# Altium PCB robot.PcbDoc (part 8 of 13) (continued)
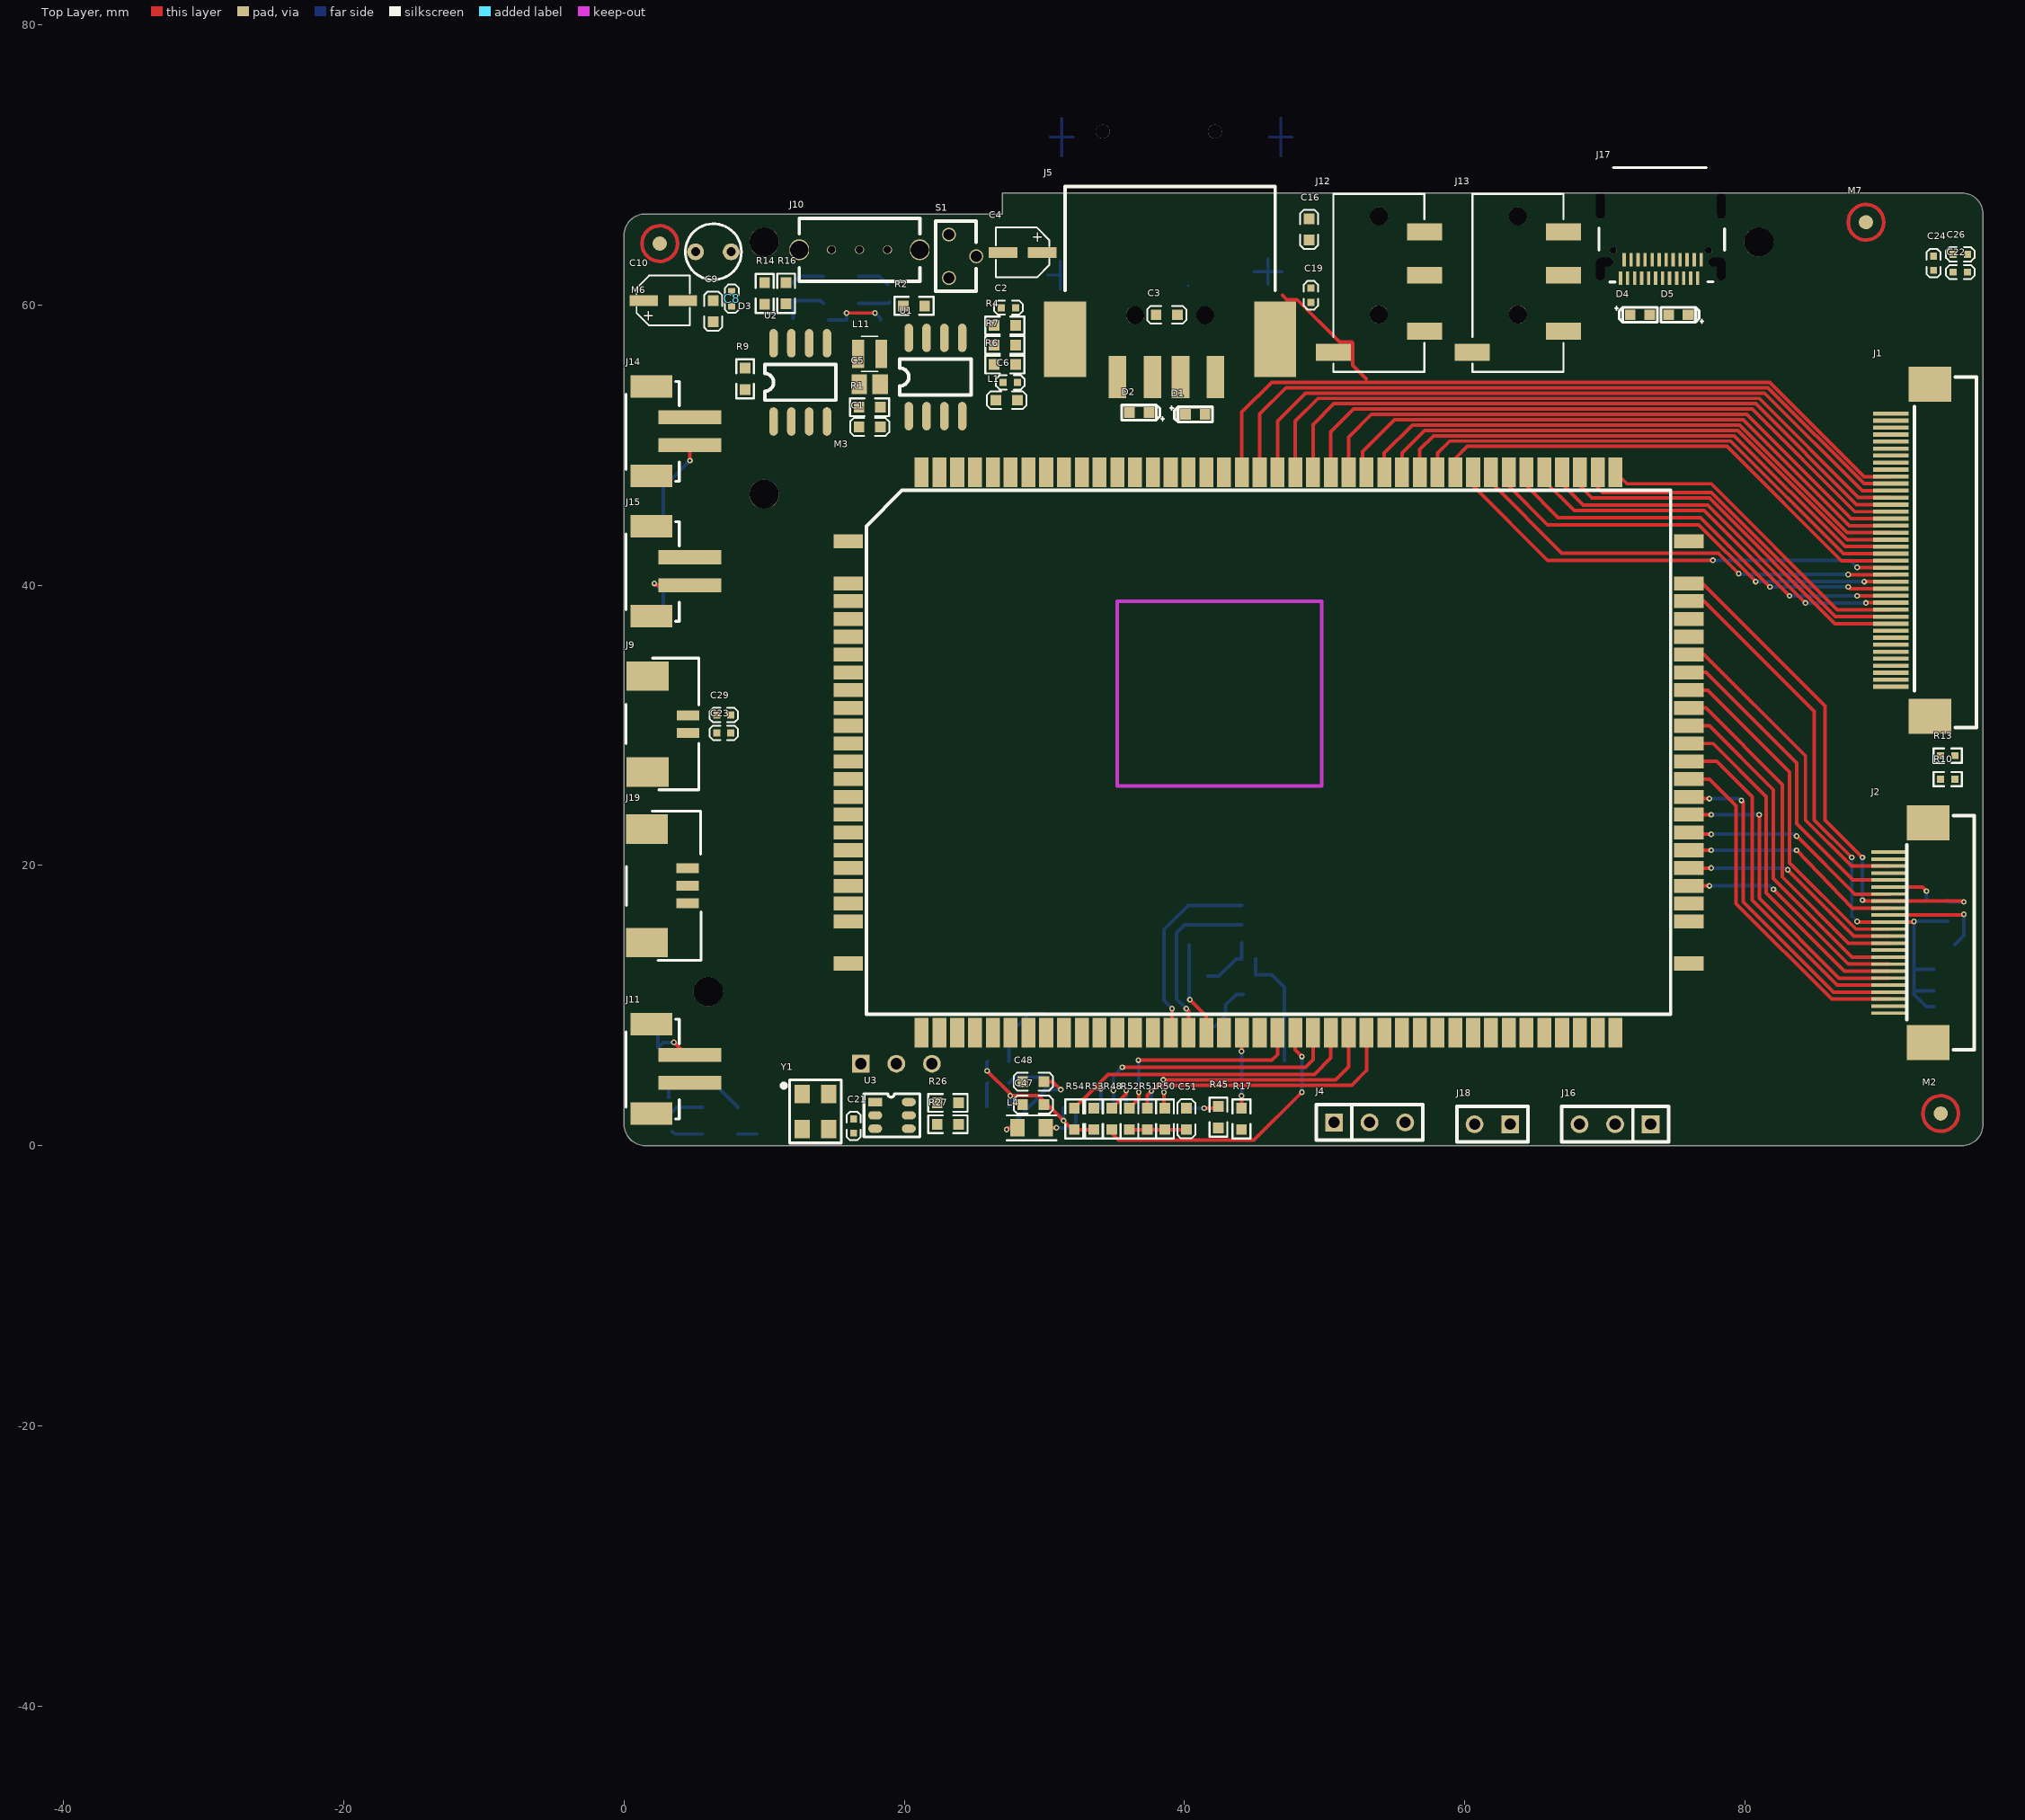
[diagram p0: Top Layer view]
## Free pads (board coordinates) (continued)
1(-38.996,-44.098) 1(-38.996,-44.097) 1(-38.996,-44.097) 1(-38.996,-44.097) 1(-38.996,-44.097) 1(-38.996,-44.097) 1(-38.996,-44.097) 1(-38.996,-44.12) 1(-38.996,-44.12) 1(-38.996,-44.12) 1(-38.996,-44.12) 1(-38.996,-44.12) 1(-38.996,-44.12) 1(-38.996,-44.119) 1(-38.996,-44.119) 1(-38.996,-44.119) 1(-38.996,-44.119) 1(-38.996,-44.119) 1(-38.996,-44.119) 1(-38.996,-44.119) 1(-38.996,-44.119) 1(-38.996,-44.119) 1(-38.996,-44.118) 1(-38.996,-44.118) 1(-38.996,-44.118) 1(-38.996,-44.115) 1(-38.996,-44.115) 1(-38.996,-44.115) 1(-38.996,-44.114) 1(-38.996,-44.114) 1(-38.996,-44.114) 1(-38.996,-44.114) 1(-38.996,-44.114) 1(-38.996,-44.114) 1(-38.996,-44.113) 1(-38.996,-44.113) 1(-38.996,-44.113) 1(-38.996,-44.113) 1(-38.996,-44.113) 1(-38.996,-44.113) 1(-38.996,-44.125) 1(-38.996,-44.125) 1(-38.996,-44.125) 1(-38.996,-44.125) 1(-38.996,-44.125) 1(-38.996,-44.125) 1(-38.996,-44.124) 1(-38.996,-44.124) 1(-38.996,-44.124) 1(-38.996,-44.123) 1(-38.996,-44.123) 1(-38.996,-44.123) 1(-38.996,-44.121) 1(-38.996,-44.121) 1(-38.996,-44.121) 1(-38.996,-44.12) 1(-38.996,-44.12) 1(-38.996,-44.12) 1(-38.996,-44.12) 1(-38.996,-44.12) 1(-38.996,-44.12) 1(-38.996,-44.148) 1(-38.996,-44.148) 1(-38.996,-44.148) 1(-38.996,-44.148) 1(-38.996,-44.148) 1(-38.996,-44.148) 1(-38.996,-44.111) 1(-38.996,-44.111) 1(-38.996,-44.111) 1(-38.996,-44.111) 1(-38.996,-44.111) 1(-38.996,-44.111) 1(-38.996,-44.104) 1(-38.996,-44.104) 1(-38.996,-44.104) 1(-38.996,-44.104) 1(-38.996,-44.104) 1(-38.996,-44.104) 1(-38.996,-44.105) 1(-38.996,-44.105) 1(-38.996,-44.105) 1(-38.996,-44.105) 1(-38.996,-44.105) 1(-38.996,-44.105) 1(-38.996,-44.129) 1(-38.996,-44.129) 1(-38.996,-44.129) 1(-38.996,-44.129) 1(-38.996,-44.129) 1(-38.996,-44.129) 1(-38.996,-44.129) 1(-38.996,-44.129) 1(-38.996,-44.129) 1(-38.996,-44.128) 1(-38.996,-44.128) 1(-38.996,-44.128) 1(-38.995,-44.134) 1(-38.995,-44.134) 1(-38.995,-44.134) 1(-38.995,-44.134) 1(-38.995,-44.134) 1(-38.995,-44.134) 1(-38.995,-44.134) 1(-38.995,-44.134) 1(-38.995,-44.134) 1(-38.995,-44.134) 1(-38.995,-44.134) 1(-38.995,-44.134) 1(-38.995,-44.097) 1(-38.995,-44.097) 1(-38.995,-44.097) 1(-38.995,-44.097) 1(-38.995,-44.097) 1(-38.995,-44.097) 1(-38.995,-44.148) 1(-38.995,-44.148) 1(-38.995,-44.148) 1(-38.995,-44.148) 1(-38.995,-44.148) 1(-38.995,-44.148) 1(-38.995,-44.112) 1(-38.995,-44.112) 1(-38.995,-44.112) 1(-38.995,-44.112) 1(-38.995,-44.112) 1(-38.995,-44.112) 1(-38.995,-44.115) 1(-38.995,-44.115) 1(-38.995,-44.115) 1(-38.995,-44.115) 1(-38.995,-44.115) 1(-38.995,-44.115) 1(-38.995,-44.117) 1(-38.995,-44.117) 1(-38.995,-44.117) 1(-38.995,-44.117) 1(-38.995,-44.117) 1(-38.995,-44.117) 1(-38.995,-44.117) 1(-38.995,-44.117) 1(-38.995,-44.117) 1(-38.995,-44.13) 1(-38.995,-44.13) 1(-38.995,-44.13) 1(-38.995,-44.129) 1(-38.995,-44.129) 1(-38.995,-44.129) 1(-38.995,-44.129) 1(-38.995,-44.129) 1(-38.995,-44.129) 1(-38.995,-44.097) 1(-38.995,-44.097) 1(-38.995,-44.097) 1(-38.995,-44.102) 1(-38.995,-44.102) 1(-38.995,-44.102) 1(-38.995,-44.102) 1(-38.995,-44.102) 1(-38.995,-44.102) 1(-38.995,-44.098) 1(-38.995,-44.098) 1(-38.995,-44.098) 1(-38.995,-44.149) 1(-38.995,-44.149) 1(-38.995,-44.149) 1(-38.995,-44.149) 1(-38.995,-44.149) 1(-38.995,-44.149) 1(-38.995,-44.121) 1(-38.995,-44.121) 1(-38.995,-44.121) 1(-38.995,-44.121) 1(-38.995,-44.121) 1(-38.995,-44.121) 1(-38.995,-44.121) 1(-38.995,-44.121) 1(-38.995,-44.121) 1(-38.995,-44.102) 1(-38.995,-44.102) 1(-38.995,-44.102) 1(-38.995,-44.102) 1(-38.995,-44.102) 1(-38.995,-44.102) 1(-38.995,-44.102) 1(-38.995,-44.102) 1(-38.995,-44.102) 1(-38.995,-44.102) 1(-38.995,-44.102) 1(-38.995,-44.102) 1(-38.995,-44.102) 1(-38.995,-44.102) 1(-38.995,-44.102) 1(-38.995,-44.098) 1(-38.995,-44.098) 1(-38.995,-44.098) 1(-38.995,-44.098) 1(-38.995,-44.098) 1(-38.995,-44.098) 1(-38.995,-44.129) 1(-38.995,-44.129) 1(-38.995,-44.129) 1(-38.995,-44.119) 1(-38.995,-44.119) 1(-38.995,-44.119) 1(-38.995,-44.119) 1(-38.995,-44.119) 1(-38.995,-44.119) 1(-38.995,-44.148) 1(-38.995,-44.148) 1(-38.995,-44.148) 1(-38.995,-44.148) 1(-38.995,-44.148) 1(-38.995,-44.148) 1(-38.995,-44.12) 1(-38.995,-44.12) 1(-38.995,-44.12) 1(-38.995,-44.104) 1(-38.995,-44.104) 1(-38.995,-44.104) 1(-38.995,-44.104) 1(-38.995,-44.104) 1(-38.995,-44.104) 1(-38.995,-44.103) 1(-38.995,-44.103) 1(-38.995,-44.103) 1(-38.995,-44.115) 1(-38.995,-44.115) 1(-38.995,-44.115) 1(-38.995,-44.115) 1(-38.995,-44.115) 1(-38.995,-44.115) 1(-38.995,-44.113) 1(-38.995,-44.113) 1(-38.995,-44.113) 1(-38.995,-44.113) 1(-38.995,-44.113) 1(-38.995,-44.113) 1(-38.994,-44.118) 1(-38.994,-44.118) 1(-38.994,-44.118) 1(-38.994,-44.117) 1(-38.994,-44.117) 1(-38.994,-44.117) 1(-38.994,-44.116) 1(-38.994,-44.116) 1(-38.994,-44.116) 1(-38.994,-44.116) 1(-38.994,-44.116) 1(-38.994,-44.116) 1(-38.994,-44.134) 1(-38.994,-44.134) 1(-38.994,-44.134) 1(-38.994,-44.141) 1(-38.994,-44.141) 1(-38.994,-44.141) 1(-38.994,-44.139) 1(-38.994,-44.139) 1(-38.994,-44.139) 1(-38.994,-44.137) 1(-38.994,-44.137) 1(-38.994,-44.137) 1(-38.994,-44.133) 1(-38.994,-44.133) 1(-38.994,-44.133) 1(-38.994,-44.125) 1(-38.994,-44.125) 1(-38.994,-44.125) 1(-38.994,-44.13) 1(-38.994,-44.13) 1(-38.994,-44.13) 1(-38.994,-44.13) 1(-38.994,-44.13) 1(-38.994,-44.13) 1(-38.994,-44.13) 1(-38.994,-44.13) 1(-38.994,-44.13) 1(-38.994,-44.136) 1(-38.994,-44.136) 1(-38.994,-44.136) 1(-38.994,-44.148) 1(-38.994,-44.148) 1(-38.994,-44.148) 1(-38.994,-44.148) 1(-38.994,-44.148) 1(-38.994,-44.148) 1(-38.994,-44.126) 1(-38.994,-44.126) 1(-38.994,-44.126) 1(-38.994,-44.126) 1(-38.994,-44.126) 1(-38.994,-44.126) 1(-38.994,-44.123) 1(-38.994,-44.123) 1(-38.994,-44.123) 1(-38.994,-44.149) 1(-38.994,-44.149) 1(-38.994,-44.149) 1(-38.994,-44.149) 1(-38.994,-44.149) 1(-38.994,-44.149) 1(-38.994,-44.129) 1(-38.994,-44.129) 1(-38.994,-44.129) 1(-38.994,-44.129) 1(-38.994,-44.129) 1(-38.994,-44.129) 1(-38.994,-44.128) 1(-38.994,-44.128) 1(-38.994,-44.128) 1(-38.994,-44.127) 1(-38.994,-44.127) 1(-38.994,-44.127) 1(-38.994,-44.127) 1(-38.994,-44.127) 1(-38.994,-44.127) 1(-38.994,-44.127) 1(-38.994,-44.127) 1(-38.994,-44.127) 1(-38.994,-44.127) 1(-38.994,-44.127) 1(-38.994,-44.127) 1(-38.994,-44.126) 1(-38.994,-44.126) 1(-38.994,-44.126) 1(-38.994,-44.126) 1(-38.994,-44.126) 1(-38.994,-44.126) 1(-38.994,-44.149) 1(-38.994,-44.149) 1(-38.994,-44.149) 1(-38.994,-44.149) 1(-38.994,-44.149) 1(-38.994,-44.149) 1(-38.994,-44.115) 1(-38.994,-44.115) 1(-38.994,-44.115) 1(-38.994,-44.115) 1(-38.994,-44.115) 1(-38.994,-44.115) 1(-38.994,-44.102) 1(-38.994,-44.102) 1(-38.994,-44.102) 1(-38.994,-44.102) 1(-38.994,-44.102) 1(-38.994,-44.102) 1(-38.994,-44.102) 1(-38.994,-44.102) 1(-38.994,-44.102) 1(-38.994,-44.098) 1(-38.994,-44.098) 1(-38.994,-44.098) 1(-38.994,-44.098) 1(-38.994,-44.098) 1(-38.994,-44.098) 1(-38.994,-44.098) 1(-38.994,-44.098) 1(-38.994,-44.098) 1(-38.994,-44.15) 1(-38.994,-44.15) 1(-38.994,-44.15) 1(-38.994,-44.15) 1(-38.994,-44.15) 1(-38.994,-44.15) 1(-38.994,-44.105) 1(-38.994,-44.105) 1(-38.994,-44.105) 1(-38.994,-44.105) 1(-38.994,-44.105) 1(-38.994,-44.105) 1(-38.994,-44.105) 1(-38.994,-44.105) 1(-38.994,-44.105) 1(-38.994,-44.105) 1(-38.994,-44.105) 1(-38.994,-44.105) 1(-38.994,-44.12) 1(-38.994,-44.12) 1(-38.994,-44.12) 1(-38.994,-44.12) 1(-38.994,-44.12) 1(-38.994,-44.12) 1(-38.994,-44.118) 1(-38.994,-44.118) 1(-38.994,-44.118) 1(-38.994,-44.118) 1(-38.994,-44.118) 1(-38.994,-44.118) 1(-38.994,-44.112) 1(-38.994,-44.112) 1(-38.994,-44.112) 1(-38.994,-44.112) 1(-38.994,-44.112) 1(-38.994,-44.112) 1(-38.994,-44.105) 1(-38.994,-44.105) 1(-38.994,-44.105) 1(-38.994,-44.105) 1(-38.994,-44.105) 1(-38.994,-44.105) 1(-38.994,-44.105) 1(-38.994,-44.105) 1(-38.994,-44.105) 1(-38.994,-44.105) 1(-38.994,-44.105) 1(-38.994,-44.105) 1(-38.993,-44.15) 1(-38.993,-44.15) 1(-38.993,-44.15) 1(-38.993,-44.15) 1(-38.993,-44.15) 1(-38.993,-44.15) 1(-38.993,-44.148) 1(-38.993,-44.148) 1(-38.993,-44.148) 1(-38.993,-44.148) 1(-38.993,-44.148) 1(-38.993,-44.148) 1(-38.993,-44.148) 1(-38.993,-44.148) 1(-38.993,-44.148) 1(-38.993,-44.148) 1(-38.993,-44.148) 1(-38.993,-44.148) 1(-38.993,-44.116) 1(-38.993,-44.116) 1(-38.993,-44.116) 1(-38.993,-44.115) 1(-38.993,-44.115) 1(-38.993,-44.115) 1(-38.993,-44.115) 1(-38.993,-44.115) 1(-38.993,-44.115) 1(-38.993,-44.102) 1(-38.993,-44.102) 1(-38.993,-44.102) 1(-38.993,-44.102) 1(-38.993,-44.102) 1(-38.993,-44.102) 1(-38.993,-44.129) 1(-38.993,-44.129) 1(-38.993,-44.129) 1(-38.993,-44.123) 1(-38.993,-44.123) 1(-38.993,-44.123) 1(-38.993,-44.147) 1(-38.993,-44.147) 1(-38.993,-44.147) 1(-38.993,-44.147) 1(-38.993,-44.147) 1(-38.993,-44.147) 1(-38.993,-44.111) 1(-38.993,-44.111) 1(-38.993,-44.111) 1(-38.993,-44.095) 1(-38.993,-44.095) 1(-38.993,-44.095) 1(-38.993,-44.099) 1(-38.993,-44.099) 1(-38.993,-44.099) 1(-38.993,-44.099) 1(-38.993,-44.099) 1(-38.993,-44.099) 1(-38.993,-44.098) 1(-38.993,-44.098) 1(-38.993,-44.098) 1(-38.993,-44.104) 1(-38.993,-44.104) 1(-38.993,-44.104) 1(-38.993,-44.104) 1(-38.993,-44.104) 1(-38.993,-44.104) 1(-38.993,-44.103) 1(-38.993,-44.103) 1(-38.993,-44.103) 1(-38.993,-44.103) 1(-38.993,-44.103) 1(-38.993,-44.103) 1(-38.993,-44.102) 1(-38.993,-44.102) 1(-38.993,-44.102) 1(-38.993,-44.102) 1(-38.993,-44.102) 1(-38.993,-44.102) 1(-38.993,-44.132) 1(-38.993,-44.132) 1(-38.993,-44.132) 1(-38.993,-44.121) 1(-38.993,-44.121) 1(-38.993,-44.121) 1(-38.993,-44.147) 1(-38.993,-44.147) 1(-38.993,-44.147) 1(-38.993,-44.147) 1(-38.993,-44.147) 1(-38.993,-44.147) 1(-38.993,-44.113) 1(-38.993,-44.113) 1(-38.993,-44.113) 1(-38.993,-44.103) 1(-38.993,-44.103) 1(-38.993,-44.103) 1(-38.993,-44.103) 1(-38.993,-44.103) 1(-38.993,-44.103) 1(-38.993,-44.125) 1(-38.993,-44.125) 1(-38.993,-44.125) 1(-38.993,-44.128) 1(-38.993,-44.128) 1(-38.993,-44.128) 1(-38.993,-44.12) 1(-38.993,-44.12) 1(-38.993,-44.12) 1(-38.993,-44.119) 1(-38.993,-44.119) 1(-38.993,-44.119) 1(-38.992,-44.113) 1(-38.992,-44.113) 1(-38.992,-44.113) 1(-38.992,-44.113) 1(-38.992,-44.113) 1(-38.992,-44.113) 1(-38.992,-44.118) 1(-38.992,-44.118) 1(-38.992,-44.118) 1(-38.992,-44.116) 1(-38.992,-44.116) 1(-38.992,-44.116) 1(-38.992,-44.116) 1(-38.992,-44.116) 1(-38.992,-44.116) 1(-38.992,-44.116) 1(-38.992,-44.116) 1(-38.992,-44.116) 1(-38.992,-44.116) 1(-38.992,-44.116) 1(-38.992,-44.116) 1(-38.992,-44.146) 1(-38.992,-44.146) 1(-38.992,-44.146) 1(-38.992,-44.146) 1(-38.992,-44.146) 1(-38.992,-44.146) 1(-38.992,-44.144) 1(-38.992,-44.144) 1(-38.992,-44.144) 1(-38.992,-44.144) 1(-38.992,-44.144) 1(-38.992,-44.144) 1(-38.992,-44.141) 1(-38.992,-44.141) 1(-38.992,-44.141) 1(-38.992,-44.139) 1(-38.992,-44.139) 1(-38.992,-44.139) 1(-38.992,-44.137) 1(-38.992,-44.137) 1(-38.992,-44.137) 1(-38.992,-44.135) 1(-38.992,-44.135) 1(-38.992,-44.135) 1(-38.992,-44.133) 1(-38.992,-44.133) 1(-38.992,-44.133) 1(-38.992,-44.097) 1(-38.992,-44.097) 1(-38.992,-44.097) 1(-38.992,-44.097) 1(-38.992,-44.097) 1(-38.992,-44.097) 1(-38.992,-44.121) 1(-38.992,-44.121) 1(-38.992,-44.121) 1(-38.992,-44.121) 1(-38.992,-44.121) 1(-38.992,-44.121) 1(-38.992,-44.11) 1(-38.992,-44.11) 1(-38.992,-44.11) 1(-38.992,-44.11) 1(-38.992,-44.11) 1(-38.992,-44.11) 1(-38.992,-44.115) 1(-38.992,-44.115) 1(-38.992,-44.115) 1(-38.992,-44.115) 1(-38.992,-44.115) 1(-38.992,-44.115) 1(-38.992,-44.104) 1(-38.992,-44.104) 1(-38.992,-44.104) 1(-38.992,-44.104) 1(-38.992,-44.104) 1(-38.992,-44.104) 1(-38.992,-44.11) 1(-38.992,-44.11) 1(-38.992,-44.11) 1(-38.992,-44.11) 1(-38.992,-44.11) 1(-38.992,-44.11) 1(-38.992,-44.098) 1(-38.992,-44.098) 1(-38.992,-44.098) 1(-38.992,-44.097) 1(-38.992,-44.097) 1(-38.992,-44.097) 1(-38.992,-44.097) 1(-38.992,-44.097) 1(-38.992,-44.097) 1(-38.992,-44.115) 1(-38.992,-44.115) 1(-38.992,-44.115) 1(-38.992,-44.114) 1(-38.992,-44.114) 1(-38.992,-44.114) 1(-38.992,-44.114) 1(-38.992,-44.114) 1(-38.992,-44.114) 1(-38.992,-44.149) 1(-38.992,-44.149) 1(-38.992,-44.149) 1(-38.992,-44.149) 1(-38.992,-44.149) 1(-38.992,-44.149) 1(-38.992,-44.109) 1(-38.992,-44.109) 1(-38.992,-44.109) 1(-38.992,-44.109) 1(-38.992,-44.109) 1(-38.992,-44.109) 1(-38.992,-44.146) 1(-38.992,-44.146) 1(-38.992,-44.146) 1(-38.992,-44.146) 1(-38.992,-44.146) 1(-38.992,-44.146) 1(-38.992,-44.145) 1(-38.992,-44.145) 1(-38.992,-44.145) 1(-38.992,-44.145) 1(-38.992,-44.145) 1(-38.992,-44.145) 1(-38.992,-44.124) 1(-38.992,-44.124) 1(-38.992,-44.124) 1(-38.992,-44.123) 1(-38.992,-44.123) 1(-38.992,-44.123) 1(-38.992,-44.121) 1(-38.992,-44.121) 1(-38.992,-44.121) 1(-38.992,-44.121) 1(-38.992,-44.121) 1(-38.992,-44.121) 1(-38.992,-44.118) 1(-38.992,-44.118) 1(-38.992,-44.118) 1(-38.992,-44.118) 1(-38.992,-44.118) 1(-38.992,-44.118) 1(-38.992,-44.144) 1(-38.992,-44.144) 1(-38.992,-44.144) 1(-38.992,-44.144) 1(-38.992,-44.144) 1(-38.992,-44.144) 1(-38.992,-44.142) 1(-38.992,-44.142) 1(-38.992,-44.142) 1(-38.992,-44.142) 1(-38.992,-44.142) 1(-38.992,-44.142) 1(-38.992,-44.119) 1(-38.992,-44.119) 1(-38.992,-44.119) 1(-38.991,-44.142) 1(-38.991,-44.142) 1(-38.991,-44.142) 1(-38.991,-44.109) 1(-38.991,-44.109) 1(-38.991,-44.109) 1(-38.991,-44.109) 1(-38.991,-44.109) 1(-38.991,-44.109) 1(-38.991,-44.148) 1(-38.991,-44.148) 1(-38.991,-44.148) 1(-38.991,-44.148) 1(-38.991,-44.148) 1(-38.991,-44.148) 1(-38.991,-44.117) 1(-38.991,-44.117) 1(-38.991,-44.117) 1(-38.991,-44.117) 1(-38.991,-44.117) 1(-38.991,-44.117) 1(-38.991,-44.147) 1(-38.991,-44.147) 1(-38.991,-44.147) 1(-38.991,-44.147) 1(-38.991,-44.147) 1(-38.991,-44.147) 1(-38.991,-44.146) 1(-38.991,-44.146) 1(-38.991,-44.146) 1(-38.991,-44.146) 1(-38.991,-44.146) 1(-38.991,-44.146) 1(-38.991,-44.105) 1(-38.991,-44.105) 1(-38.991,-44.105) 1(-38.991,-44.105) 1(-38.991,-44.105) 1(-38.991,-44.105) 1(-38.991,-44.104) 1(-38.991,-44.104) 1(-38.991,-44.104) 1(-38.991,-44.103) 1(-38.991,-44.103) 1(-38.991,-44.103) 1(-38.991,-44.103) 1(-38.991,-44.103) 1(-38.991,-44.103) 1(-38.991,-44.102) 1(-38.991,-44.102) 1(-38.991,-44.102) 1(-38.991,-44.128) 1(-38.991,-44.128) 1(-38.991,-44.128) 1(-38.991,-44.127) 1(-38.991,-44.127) 1(-38.991,-44.127) 1(-38.991,-44.108) 1(-38.991,-44.108) 1(-38.991,-44.108) 1(-38.991,-44.108) 1(-38.991,-44.108) 1(-38.991,-44.108) 1(-38.991,-44.097) 1(-38.991,-44.097) 1(-38.991,-44.097) 1(-38.991,-44.124) 1(-38.991,-44.124) 1(-38.991,-44.124) 1(-38.991,-44.124) 1(-38.991,-44.124) 1(-38.991,-44.124) 1(-38.991,-44.144) 1(-38.991,-44.144) 1(-38.991,-44.144) 1(-38.991,-44.144) 1(-38.991,-44.144) 1(-38.991,-44.144) 1(-38.991,-44.108) 1(-38.991,-44.108) 1(-38.991,-44.108) 1(-38.991,-44.108) 1(-38.991,-44.108) 1(-38.991,-44.108) 1(-38.991,-44.103) 1(-38.991,-44.103) 1(-38.991,-44.103) 1(-38.991,-44.103) 1(-38.991,-44.103) 1(-38.991,-44.103) 1(-38.991,-44.121) 1(-38.991,-44.121) 1(-38.991,-44.121) 1(-38.991,-44.121) 1(-38.991,-44.121) 1(-38.991,-44.121) 1(-38.991,-44.118) 1(-38.991,-44.118) 1(-38.991,-44.118) 1(-38.991,-44.118) 1(-38.991,-44.118) 1(-38.991,-44.118) 1(-38.991,-44.118) 1(-38.991,-44.118) 1(-38.991,-44.118) 1(-38.991,-44.118) 1(-38.991,-44.118) 1(-38.991,-44.118) 1(-38.991,-44.108) 1(-38.991,-44.108) 1(-38.991,-44.108) 1(-38.991,-44.108) 1(-38.991,-44.108) 1(-38.991,-44.108) 1(-38.991,-44.122) 1(-38.991,-44.122) 1(-38.991,-44.122) 1(-38.991,-44.129) 1(-38.991,-44.129) 1(-38.991,-44.129) 1(-38.991,-44.105) 1(-38.991,-44.105) 1(-38.991,-44.105) 1(-38.991,-44.105) 1(-38.991,-44.105) 1(-38.991,-44.105) 1(-38.991,-44.103) 1(-38.991,-44.103) 1(-38.991,-44.103) 1(-38.991,-44.103) 1(-38.991,-44.103) 1(-38.991,-44.103) 1(-38.991,-44.107) 1(-38.991,-44.107) 1(-38.991,-44.107) 1(-38.991,-44.107) 1(-38.991,-44.107) 1(-38.991,-44.107) 1(-38.991,-44.115) 1(-38.991,-44.115) 1(-38.991,-44.115) 1(-38.991,-44.115) 1(-38.991,-44.115) 1(-38.991,-44.115) 1(-38.991,-44.116) 1(-38.991,-44.116) 1(-38.991,-44.116) 1(-38.991,-44.116) 1(-38.991,-44.116) 1(-38.991,-44.116) 1(-38.991,-44.144) 1(-38.991,-44.144) 1(-38.991,-44.144) 1(-38.991,-44.142) 1(-38.991,-44.142) 1(-38.991,-44.142) 1(-38.991,-44.116) 1(-38.991,-44.116) 1(-38.991,-44.116) 1(-38.991,-44.116) 1(-38.991,-44.116) 1(-38.991,-44.116) 1(-38.991,-44.115) 1(-38.991,-44.115) 1(-38.991,-44.115) 1(-38.991,-44.115) 1(-38.991,-44.115) 1(-38.991,-44.115) 1(-38.991,-44.115) 1(-38.991,-44.115) 1(-38.991,-44.115) 1(-38.991,-44.115) 1(-38.991,-44.115) 1(-38.991,-44.115) 1(-38.991,-44.114) 1(-38.991,-44.114) 1(-38.991,-44.114) 1(-38.991,-44.114) 1(-38.991,-44.114) 1(-38.991,-44.114) 1(-38.991,-44.113) 1(-38.991,-44.113) 1(-38.991,-44.113) 1(-38.991,-44.113) 1(-38.991,-44.113) 1(-38.991,-44.113) 1(-38.991,-44.148) 1(-38.991,-44.148) 1(-38.991,-44.148) 1(-38.991,-44.148) 1(-38.991,-44.148) 1(-38.991,-44.148) 1(-38.991,-44.107) 1(-38.991,-44.107) 1(-38.991,-44.107) 1(-38.991,-44.107) 1(-38.991,-44.107) 1(-38.991,-44.107) 1(-38.99,-44.112) 1(-38.99,-44.112) 1(-38.99,-44.112) 1(-38.99,-44.112) 1(-38.99,-44.112) 1(-38.99,-44.112) 1(-38.99,-44.146) 1(-38.99,-44.146) 1(-38.99,-44.146) 1(-38.99,-44.144) 1(-38.99,-44.144) 1(-38.99,-44.144) 1(-38.99,-44.148) 1(-38.99,-44.148) 1(-38.99,-44.148) 1(-38.99,-44.097) 1(-38.99,-44.097) 1(-38.99,-44.097) 1(-38.99,-44.097) 1(-38.99,-44.097) 1(-38.99,-44.097) 1(-38.99,-44.106) 1(-38.99,-44.106) 1(-38.99,-44.106) 1(-38.99,-44.106) 1(-38.99,-44.106) 1(-38.99,-44.106) 1(-38.99,-44.105) 1(-38.99,-44.105) 1(-38.99,-44.105) 1(-38.99,-44.105) 1(-38.99,-44.105) 1(-38.99,-44.105) 1(-38.99,-44.102) 1(-38.99,-44.102) 1(-38.99,-44.102) 1(-38.99,-44.102) 1(-38.99,-44.102) 1(-38.99,-44.102) 1(-38.99,-44.096) 1(-38.99,-44.096) 1(-38.99,-44.096) 1(-38.99,-44.096) 1(-38.99,-44.096) 1(-38.99,-44.096) 1(-38.99,-44.106) 1(-38.99,-44.106) 1(-38.99,-44.106) 1(-38.99,-44.106) 1(-38.99,-44.106) 1(-38.99,-44.106) 1(-38.99,-44.096) 1(-38.99,-44.096) 1(-38.99,-44.096) 1(-38.99,-44.096) 1(-38.99,-44.096) 1(-38.99,-44.096) 1(-38.99,-44.106) 1(-38.99,-44.106) 1(-38.99,-44.106) 1(-38.99,-44.106) 1(-38.99,-44.106) 1(-38.99,-44.106) 1(-38.99,-44.145) 1(-38.99,-44.145) 1(-38.99,-44.145) 1(-38.99,-44.145) 1(-38.99,-44.145) 1(-38.99,-44.145) 1(-38.99,-44.125) 1(-38.99,-44.125) 1(-38.99,-44.125) 1(-38.99,-44.125) 1(-38.99,-44.125) 1(-38.99,-44.125) 1(-38.99,-44.125) 1(-38.99,-44.125) 1(-38.99,-44.125) 1(-38.99,-44.124) 1(-38.99,-44.124) 1(-38.99,-44.124) 1(-38.99,-44.124) 1(-38.99,-44.124) 1(-38.99,-44.124) 1(-38.99,-44.122) 1(-38.99,-44.122) 1(-38.99,-44.122) 1(-38.99,-44.124) 1(-38.99,-44.124) 1(-38.99,-44.124) 1(-38.99,-44.124) 1(-38.99,-44.124) 1(-38.99,-44.124) 1(-38.99,-44.124) 1(-38.99,-44.124) 1(-38.99,-44.124) 1(-38.99,-44.105) 1(-38.99,-44.105) 1(-38.99,-44.105) 1(-38.99,-44.105) 1(-38.99,-44.105) 1(-38.99,-44.105) 1(-38.99,-44.097) 1(-38.99,-44.097) 1(-38.99,-44.097) 1(-38.99,-44.097) 1(-38.99,-44.097) 1(-38.99,-44.097) 1(-38.99,-44.126) 1(-38.99,-44.126) 1(-38.99,-44.126) 1(-38.99,-44.126) 1(-38.99,-44.126) 1(-38.99,-44.126) 1(-38.989,-44.133) 1(-38.989,-44.133) 1(-38.989,-44.133) 1(-38.989,-44.147) 1(-38.989,-44.147) 1(-38.989,-44.147) 1(-38.989,-44.147) 1(-38.989,-44.147) 1(-38.989,-44.147) 1(-38.989,-44.132) 1(-38.989,-44.132) 1(-38.989,-44.132) 1(-38.989,-44.104) 1(-38.989,-44.104) 1(-38.989,-44.104) 1(-38.989,-44.104) 1(-38.989,-44.104) 1(-38.989,-44.104) 1(-38.989,-44.097) 1(-38.989,-44.097) 1(-38.989,-44.097) 1(-38.989,-44.097) 1(-38.989,-44.097) 1(-38.989,-44.097) 1(-38.989,-44.137) 1(-38.989,-44.137) 1(-38.989,-44.137) 1(-38.989,-44.139) 1(-38.989,-44.139) 1(-38.989,-44.139) 1(-38.989,-44.135) 1(-38.989,-44.135) 1(-38.989,-44.135) 1(-38.989,-44.141) 1(-38.989,-44.141) 1(-38.989,-44.141) 1(-38.989,-44.116) 1(-38.989,-44.116) 1(-38.989,-44.116) 1(-38.989,-44.115) 1(-38.989,-44.115) 1(-38.989,-44.115) 1(-38.989,-44.122) 1(-38.989,-44.122) 1(-38.989,-44.122) 1(-38.989,-44.104) 1(-38.989,-44.104) 1(-38.989,-44.104) 1(-38.989,-44.104) 1(-38.989,-44.104) 1(-38.989,-44.104) 1(-38.989,-44.097) 1(-38.989,-44.097) 1(-38.989,-44.097) 1(-38.989,-44.097) 1(-38.989,-44.097) 1(-38.989,-44.097) 1(-38.989,-44.125) 1(-38.989,-44.125) 1(-38.989,-44.125) 1(-38.989,-44.125) 1(-38.989,-44.125) 1(-38.989,-44.125) 1(-38.989,-44.125) 1(-38.989,-44.125) 1(-38.989,-44.125) 1(-38.989,-44.121) 1(-38.989,-44.121) 1(-38.989,-44.121) 1(-38.989,-44.121) 1(-38.989,-44.121) 1(-38.989,-44.121) 1(-38.989,-44.12) 1(-38.989,-44.12) 1(-38.989,-44.12) 1(-38.989,-44.12) 1(-38.989,-44.12) 1(-38.989,-44.12) 1(-38.989,-44.118) 1(-38.989,-44.118) 1(-38.989,-44.118) 1(-38.989,-44.146) 1(-38.989,-44.146) 1(-38.989,-44.146) 1(-38.989,-44.146) 1(-38.989,-44.146) 1(-38.989,-44.146) 1(-38.989,-44.126) 1(-38.989,-44.126) 1(-38.989,-44.126) 1(-38.989,-44.126) 1(-38.989,-44.126) 1(-38.989,-44.126) 1(-38.989,-44.094) 1(-38.989,-44.094) 1(-38.989,-44.094) 1(-38.989,-44.121) 1(-38.989,-44.121) 1(-38.989,-44.121) 1(-38.989,-44.121) 1(-38.989,-44.121) 1(-38.989,-44.121) 1(-38.989,-44.104) 1(-38.989,-44.104) 1(-38.989,-44.104) 1(-38.989,-44.104) 1(-38.989,-44.104) 1(-38.989,-44.104) 1(-38.989,-44.102) 1(-38.989,-44.102) 1(-38.989,-44.102) 1(-38.989,-44.102) 1(-38.989,-44.102) 1(-38.989,-44.102) 1(-38.989,-44.102) 1(-38.989,-44.102) 1(-38.989,-44.102) 1(-38.989,-44.102) 1(-38.989,-44.102) 1(-38.989,-44.102) 1(-38.988,-44.117) 1(-38.988,-44.117) 1(-38.988,-44.117) 1(-38.988,-44.117) 1(-38.988,-44.117) 1(-38.988,-44.117) 1(-38.988,-44.124) 1(-38.988,-44.124) 1(-38.988,-44.124) 1(-38.988,-44.124) 1(-38.988,-44.124) 1(-38.988,-44.124) 1(-38.988,-44.147) 1(-38.988,-44.147) 1(-38.988,-44.147) 1(-38.988,-44.126) 1(-38.988,-44.126) 1(-38.988,-44.126) 1(-38.988,-44.126) 1(-38.988,-44.126) 1(-38.988,-44.126) 1(-38.988,-44.127) 1(-38.988,-44.127) 1(-38.988,-44.127) 1(-38.988,-44.101) 1(-38.988,-44.101) 1(-38.988,-44.101) 1(-38.988,-44.101) 1(-38.988,-44.101) 1(-38.988,-44.101) 1(-38.988,-44.118) 1(-38.988,-44.118) 1(-38.988,-44.118) 1(-38.988,-44.118) 1(-38.988,-44.118) 1(-38.988,-44.118) 1(-38.988,-44.145) 1(-38.988,-44.145) 1(-38.988,-44.145) 1(-38.988,-44.145) 1(-38.988,-44.145) 1(-38.988,-44.145) 1(-38.988,-44.125) 1(-38.988,-44.125) 1(-38.988,-44.125) 1(-38.988,-44.125) 1(-38.988,-44.125) 1(-38.988,-44.125) 1(-38.988,-44.124) 1(-38.988,-44.124) 1(-38.988,-44.124) 1(-38.988,-44.124) 1(-38.988,-44.124) 1(-38.988,-44.124) 1(-38.988,-44.122) 1(-38.988,-44.122) 1(-38.988,-44.122) 1(-38.988,-44.104) 1(-38.988,-44.104) 1(-38.988,-44.104) 1(-38.988,-44.104) 1(-38.988,-44.104) 1(-38.988,-44.104) 1(-38.988,-44.103) 1(-38.988,-44.103) 1(-38.988,-44.103) 1(-38.988,-44.103) 1(-38.988,-44.103) 1(-38.988,-44.103) 1(-38.988,-44.148) 1(-38.988,-44.148) 1(-38.988,-44.148) 1(-38.988,-44.145) 1(-38.988,-44.145) 1(-38.988,-44.145) 1(-38.988,-44.145) 1(-38.988,-44.145) 1(-38.988,-44.145) 1(-38.988,-44.144) 1(-38.988,-44.144) 1(-38.988,-44.144) 1(-38.988,-44.144) 1(-38.988,-44.144) 1(-38.988,-44.144) 1(-38.988,-44.144) 1(-38.988,-44.144) 1(-38.988,-44.144) 1(-38.988,-44.144) 1(-38.988,-44.144) 1(-38.988,-44.144) 1(-38.988,-44.142) 1(-38.988,-44.142) 1(-38.988,-44.142) 1(-38.988,-44.142) 1(-38.988,-44.142) 1(-38.988,-44.142) 1(-38.988,-44.141) 1(-38.988,-44.141) 1(-38.988,-44.141) 1(-38.988,-44.141) 1(-38.988,-44.141) 1(-38.988,-44.141) 1(-38.988,-44.102) 1(-38.988,-44.102) 1(-38.988,-44.102) 1(-38.988,-44.102) 1(-38.988,-44.102) 1(-38.988,-44.102) 1(-38.988,-44.101) 1(-38.988,-44.101) 1(-38.988,-44.101) 1(-38.988,-44.101) 1(-38.988,-44.101) 1(-38.988,-44.101) 1(-38.988,-44.105) 1(-38.988,-44.105) 1(-38.988,-44.105) 1(-38.988,-44.105) 1(-38.988,-44.105) 1(-38.988,-44.105) 1(-38.988,-44.1) 1(-38.988,-44.1) 1(-38.988,-44.1) 1(-38.988,-44.116) 1(-38.988,-44.116) 1(-38.988,-44.116) 1(-38.988,-44.116) 1(-38.988,-44.116) 1(-38.988,-44.116) 1(-38.988,-44.115) 1(-38.988,-44.115) 1(-38.988,-44.115) 1(-38.988,-44.115) 1(-38.988,-44.115) 1(-38.988,-44.115) 1(-38.988,-44.095) 1(-38.988,-44.095) 1(-38.988,-44.095) 1(-38.988,-44.104) 1(-38.988,-44.104) 1(-38.988,-44.104) 1(-38.988,-44.104) 1(-38.988,-44.104) 1(-38.988,-44.104) 1(-38.988,-44.141) 1(-38.988,-44.141) 1(-38.988,-44.141) 1(-38.988,-44.141) 1(-38.988,-44.141) 1(-38.988,-44.141) 1(-38.988,-44.101) 1(-38.988,-44.101) 1(-38.988,-44.101) 1(-38.988,-44.101) 1(-38.988,-44.101) 1(-38.988,-44.101) 1(-38.988,-44.126) 1(-38.988,-44.126) 1(-38.988,-44.126) 1(-38.988,-44.126) 1(-38.988,-44.126) 1(-38.988,-44.126) 1(-38.988,-44.103) 1(-38.988,-44.103) 1(-38.988,-44.103) 1(-38.988,-44.103) 1(-38.988,-44.103) 1(-38.988,-44.103) 1(-38.987,-44.124) 1(-38.987,-44.124) 1(-38.987,-44.124) 1(-38.987,-44.121) 1(-38.987,-44.121) 1(-38.987,-44.121) 1(-38.987,-44.12) 1(-38.987,-44.12) 1(-38.987,-44.12) 1(-38.987,-44.12) 1(-38.987,-44.12) 1(-38.987,-44.12) 1(-38.987,-44.12) 1(-38.987,-44.12) 1(-38.987,-44.12) 1(-38.987,-44.12) 1(-38.987,-44.12) 1(-38.987,-44.12) 1(-38.987,-44.119) 1(-38.987,-44.119) 1(-38.987,-44.119) 1(-38.987,-44.119) 1(-38.987,-44.119) 1(-38.987,-44.119) 1(-38.987,-44.118) 1(-38.987,-44.118) 1(-38.987,-44.118) 1(-38.987,-44.118) 1(-38.987,-44.118) 1(-38.987,-44.118) 1(-38.987,-44.101) 1(-38.987,-44.101) 1(-38.987,-44.101) 1(-38.987,-44.101) 1(-38.987,-44.101) 1(-38.987,-44.101) 1(-38.987,-44.101) 1(-38.987,-44.101) 1(-38.987,-44.101) 1(-38.987,-44.101) 1(-38.987,-44.101) 1(-38.987,-44.101) 1(-38.987,-44.102) 1(-38.987,-44.102) 1(-38.987,-44.102) 1(-38.987,-44.102) 1(-38.987,-44.102) 1(-38.987,-44.102) 1(-38.987,-44.122) 1(-38.987,-44.122) 1(-38.987,-44.122) 1(-38.987,-44.102) 1(-38.987,-44.102) 1(-38.987,-44.102) 1(-38.987,-44.102) 1(-38.987,-44.102) 1(-38.987,-44.102) 1(-38.987,-44.141) 1(-38.987,-44.141) 1(-38.987,-44.141) 1(-38.987,-44.141) 1(-38.987,-44.141) 1(-38.987,-44.141) 1(-38.987,-44.141) 1(-38.987,-44.141) 1(-38.987,-44.141) 1(-38.987,-44.144) 1(-38.987,-44.144) 1(-38.987,-44.144) 1(-38.987,-44.144) 1(-38.987,-44.144) 1(-38.987,-44.144) 1(-38.987,-44.142) 1(-38.987,-44.142) 1(-38.987,-44.142) 1(-38.987,-44.145) 1(-38.987,-44.145) 1(-38.987,-44.145) 1(-38.987,-44.144) 1(-38.987,-44.144) 1(-38.987,-44.144) 1(-38.987,-44.144) 1(-38.987,-44.144) 1(-38.987,-44.144) 1(-38.987,-44.14) 1(-38.987,-44.14) 1(-38.987,-44.14) 1(-38.987,-44.134) 1(-38.987,-44.134) 1(-38.987,-44.134) 1(-38.987,-44.144) 1(-38.987,-44.144) 1(-38.987,-44.144) 1(-38.987,-44.144) 1(-38.987,-44.144) 1(-38.987,-44.144) 1(-38.987,-44.132) 1(-38.987,-44.132) 1(-38.987,-44.132) 1(-38.987,-44.103) 1(-38.987,-44.103) 1(-38.987,-44.103) 1(-38.987,-44.103) 1(-38.987,-44.103) 1(-38.987,-44.103) 1(-38.987,-44.135) 1(-38.987,-44.135) 1(-38.987,-44.135) 1(-38.987,-44.137) 1(-38.987,-44.137) 1(-38.987,-44.137) 1(-38.987,-44.129) 1(-38.987,-44.129) 1(-38.987,-44.129) 1(-38.987,-44.103) 1(-38.987,-44.103) 1(-38.987,-44.103) 1(-38.987,-44.125) 1(-38.987,-44.125) 1(-38.987,-44.125) 1(-38.987,-44.125) 1(-38.987,-44.125) 1(-38.987,-44.125) 1(-38.987,-44.139) 1(-38.987,-44.139) 1(-38.987,-44.139) 1(-38.987,-44.127) 1(-38.987,-44.127) 1(-38.987,-44.127) 1(-38.987,-44.117) 1(-38.987,-44.117) 1(-38.987,-44.117) 1(-38.987,-44.122) 1(-38.987,-44.122) 1(-38.987,-44.122) 1(-38.987,-44.122) 1(-38.987,-44.122) 1(-38.987,-44.122) 1(-38.987,-44.12) 1(-38.987,-44.12) 1(-38.987,-44.12) 1(-38.987,-44.12) 1(-38.987,-44.12) 1(-38.987,-44.12) 1(-38.987,-44.118) 1(-38.987,-44.118) 1(-38.987,-44.118) 1(-38.987,-44.118) 1(-38.987,-44.118) 1(-38.987,-44.118) 1(-38.986,-44.141) 1(-38.986,-44.141) 1(-38.986,-44.141) 1(-38.986,-44.141) 1(-38.986,-44.141) 1(-38.986,-44.141) 1(-38.986,-44.123) 1(-38.986,-44.123) 1(-38.986,-44.123) 1(-38.986,-44.123) 1(-38.986,-44.123) 1(-38.986,-44.123) 1(-38.986,-44.121) 1(-38.986,-44.121) 1(-38.986,-44.121) 1(-38.986,-44.121) 1(-38.986,-44.121) 1(-38.986,-44.121) 1(-38.986,-44.124) 1(-38.986,-44.124) 1(-38.986,-44.124) 1(-38.986,-44.098) 1(-38.986,-44.098) 1(-38.986,-44.098) 1(-38.986,-44.098) 1(-38.986,-44.098) 1(-38.986,-44.098) 1(-38.986,-44.125) 1(-38.986,-44.125) 1(-38.986,-44.125) 1(-38.986,-44.12) 1(-38.986,-44.12) 1(-38.986,-44.12) 1(-38.986,-44.12) 1(-38.986,-44.12) 1(-38.986,-44.12) 1(-38.986,-44.116) 1(-38.986,-44.116) 1(-38.986,-44.116) 1(-38.986,-44.116) 1(-38.986,-44.116) 1(-38.986,-44.116) 1(-38.986,-44.142) 1(-38.986,-44.142) 1(-38.986,-44.142) 1(-38.986,-44.141) 1(-38.986,-44.141) 1(-38.986,-44.141) 1(-38.986,-44.141) 1(-38.986,-44.141) 1(-38.986,-44.141) 1(-38.986,-44.134) 1(-38.986,-44.134) 1(-38.986,-44.134) 1(-38.986,-44.097) 1(-38.986,-44.097) 1(-38.986,-44.097) 1(-38.986,-44.128)